# Altium PCB EPS.PcbDoc (part 5 of 10)
Units mm, origin at the board's own origin, x right, y up, seen from the top; angles counter-clockwise.
Board outline 90.25 x 93.64 mm, 8 copper layers (Top Layer, PGND, Power, Control Signals 1, Control Signals 2, Signal 1, Signal 2, Bottom Layer), stack 1.637 mm thick; 941 components, 557 nets, 2694 pads, 869 vias.
Unrouted connection lines stored in the file: 2.
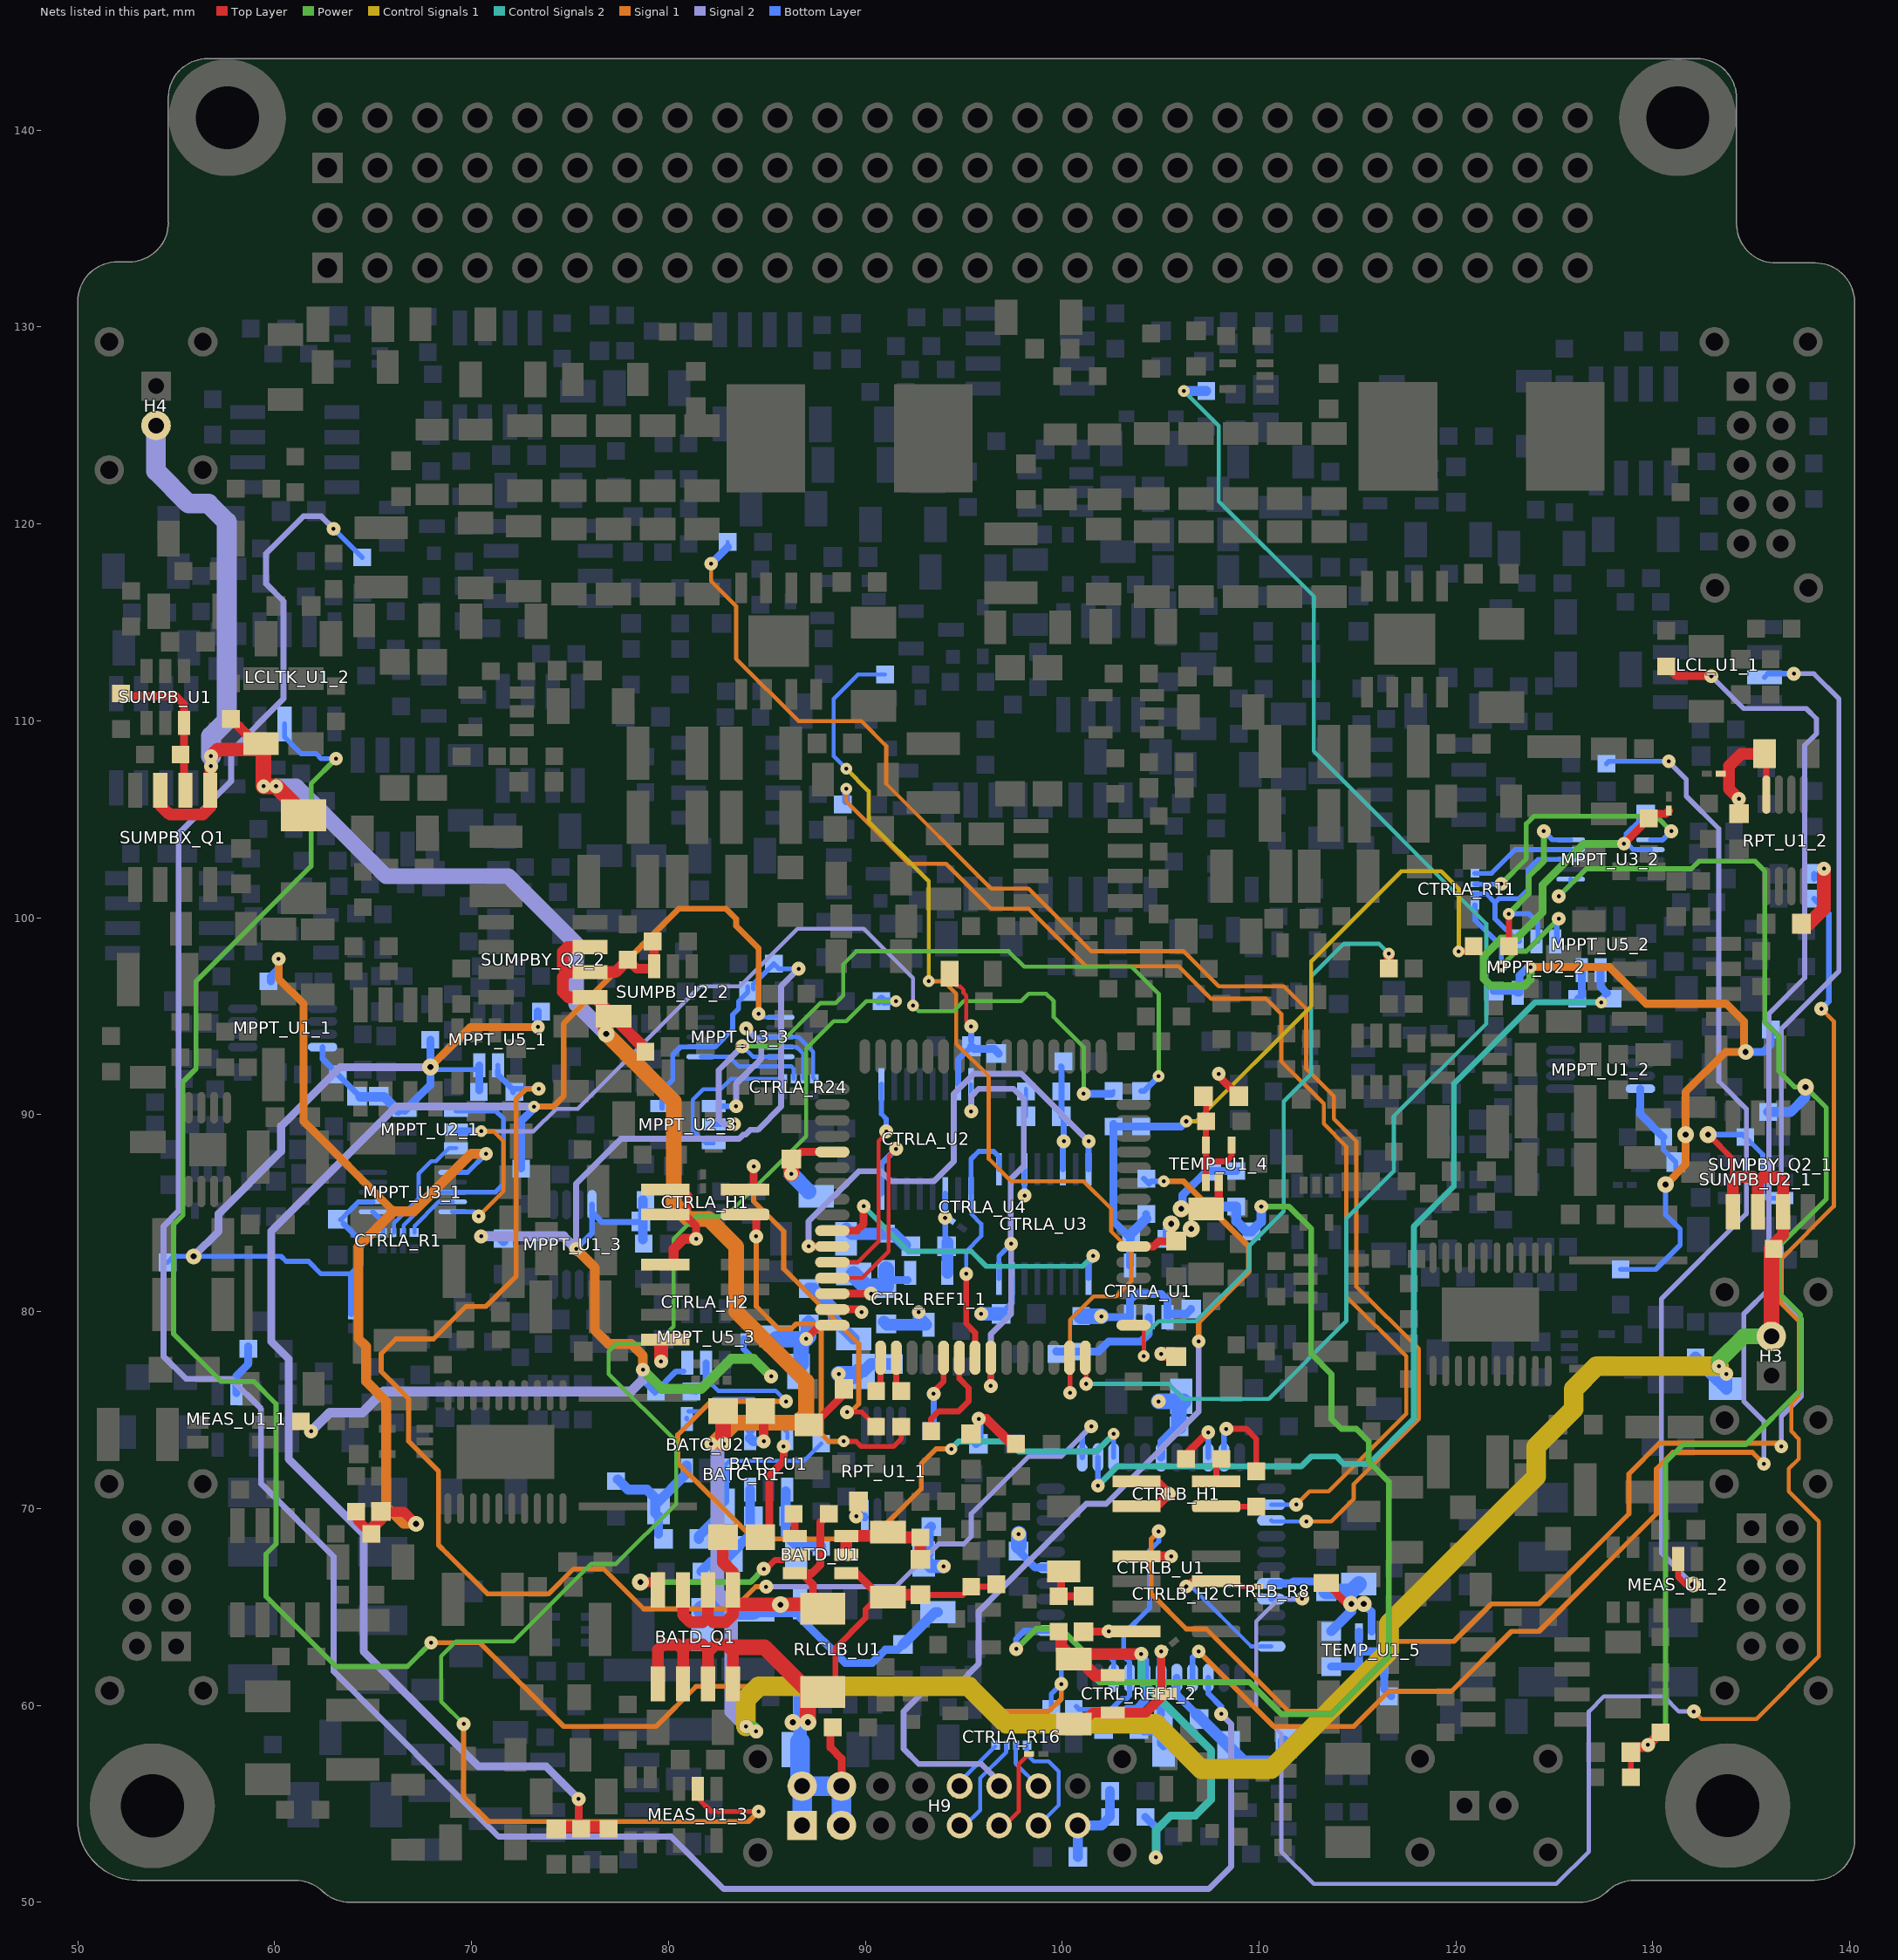
[diagram p11: the nets of this part, all layers, seen from the top]

## Via types
v1: diameter 0.7, hole 0.2, Top Layer to Bottom Layer, 431 vias
v2: diameter 0.85, hole 0.3, Top Layer to Bottom Layer, 345 vias
v3: diameter 0.6, hole 0.2, Top Layer to Bottom Layer, 62 vias
v4: diameter 0.8, hole 0.3, Top Layer to Bottom Layer, 19 vias
v5: diameter 0.75, hole 0.3, Top Layer to Bottom Layer, 7 vias
v6: diameter 1, hole 0.4, Top Layer to Bottom Layer, 2 vias
v7: diameter 0.7, hole 0.3, Top Layer to Bottom Layer, 2 vias
v8: diameter 1, hole 0.3, Top Layer to Bottom Layer, 1 vias

## Nets (pads, with @x,y where several pads share a name; then routed paths per layer and width w, separated by ;. In a path a pad name is that pad's centre, name@x,y a point inside that pad or via, vN(x,y) a via of type N, cw(c..) or ccw(c..) an arc to the next point about the centre after c; other vN are vias at no path point) (continued)
CTRLB_JTAG_TMS: CTRLB_H2.5 CTRLB_R8.6 CTRLB_U1.22 | length 8.6
  Top Layer w0.254: CTRLB_H2.5@108.839,66.295 109.093,66.041 CTRLB_R8.6@109.982,66.041
  Top Layer w0.3: v1(106.299,66.041) 106.553,66.295 CTRLB_H2.5@107.823,66.295
  Bottom Layer w0.208: v1(106.299,66.041) 106.552,66.041 109.6,62.993 CTRLB_U1.22@110.617,62.993
  Bottom Layer w0.3: v1(106.299,66.041) v1@106.299,66.168
CTRLB_LCLs_ANTs_FlagB: CTRLB_R2.2 CTRLB_U1.30 LCL_U1_1.7 | length 101.4
  Signal 1 w0.254: v1(104.902,68.834) 104.521,68.453 104.521,65.659 106.299,63.881 107.315,63.881 111.506,59.69 113.411,59.69 116.967,63.246 119.888,63.246 121.793,65.151 124.206,65.151 128.778,69.723 128.778,71.755 130.333,73.31 136.367,73.31 v1(136.525,73.152)
  Signal 2 w0.254: v1(136.525,73.152) 136.525,74.676 137.541,75.692 137.541,79.629 136.525,80.645 136.525,94.361 139.446,97.282 139.446,111.125 138.176,112.395 v1(137.16,112.395)
  Bottom Layer w0.254: CTRLB_R2.2@100.711,59.944 100.863,59.792 102.476,59.792 103.031,60.347 103.273,60.347 103.417,60.491 CTRLB_U1.30@103.417,61.393 103.417,62.191 103.124,62.484 103.124,63.627 104.439,64.942 104.439,67.863 104.902,68.326 v1(104.902,68.834) ; LCL_U1_1.7@135.672,112.215 LCL_U1_1.7@135.852,112.395
  Bottom Layer w0.3: LCL_U1_1.7@135.852,112.395 v1(137.16,112.395)
CTRLB_LCLs_ANTs_ON: CTRLB_U1.26 LCL_R4_1.2 | length 87.6
  Top Layer w0.4: LCL_R4_1.2@130.683,112.765 130.694,112.765 131.191,112.268 v1(132.969,112.268)
  Signal 1 w0.254: v1(106.934,62.738) 110.744,58.928 114.808,58.928 116.586,60.706 119.761,60.706 122.809,63.754 124.206,63.754 130.175,69.723 130.175,72.009 131.019,72.853 135.046,72.853 v1(135.636,72.263)
  Signal 2 w0.254: v1(132.969,112.268) 134.613,110.624 137.788,110.624 138.303,110.109 138.303,109.347 137.713,108.757 137.713,96.946 135.89,95.123 135.89,81.153 134.62,79.883 134.62,75.438 135.636,74.422 v1(135.636,72.263)
  Bottom Layer w0.3: CTRLB_U1.26@106.617,61.393 106.617,62.421 v1(106.934,62.738)
CTRLB_LCLs_TKred_FlagB: CTRLB_R1.2 CTRLB_U1.31 LCLTK_U1_2.7 | length 105.9
  Power w0.254: v1(63.119,108.077) 61.849,106.807 61.849,102.616 56.007,96.774 56.007,92.329 55.342,91.664 55.342,84.901 54.864,84.423 54.864,78.867 57.277,76.454 58.928,76.454 60.071,75.311 60.071,68.199 59.563,67.691 59.563,65.532 63.119,61.976 66.739,61.976 v1(67.945,63.182)
  Signal 1 w0.254: v1(67.945,63.182) 70.421,63.182 74.676,58.928 79.375,58.928 81.407,60.96 94.869,60.96 96.139,59.69 99.314,59.69 99.949,60.325 v1(99.949,61.087)
  Signal 2 w0.254: v1@67.945,63.119 v1(67.945,63.182)
  Bottom Layer w0.254: LCLTK_U1_2.7@60.5,109.84 60.5,109.172 61.341,108.331 62.103,108.331 62.357,108.077 v1(63.119,108.077) ; CTRLB_R1.2@99.441,59.828 99.441,60.579 v1(99.949,61.087) 99.949,61.849 100.838,62.738 102.108,62.738 102.617,62.229 CTRLB_U1.31@102.617,61.393
CTRLB_LCLs_TKred_ON: CTRLB_U1.25 LCLTK_R13_2.2 | length 131.8
  Signal 2 w0.3: v1(62.992,119.758) 62.354,120.396 61.468,120.396 59.563,118.491 59.563,116.967 60.452,116.078 60.452,111.125 57.785,108.458 57.785,106.934 55.118,104.267 55.118,85.09 54.356,84.328 54.356,77.724 55.499,76.581 57.785,76.581 59.309,75.057 59.309,71.247 62.992,67.564 62.992,61.722 71.374,53.34 80.137,53.34 82.804,50.673 107.442,50.673 108.585,51.816 108.585,59.055 v1(108.077,59.563)
  Bottom Layer w0.254: v1(62.992,119.758) LCLTK_R13_2.2@64.45,118.3
  Bottom Layer w0.3: CTRLB_U1.25@107.417,61.393 107.417,60.604 108.077,59.944 v1(108.077,59.563)
CTRLB_Vref: CTRL_C5_2.1 CTRL_C6_2.1 CTRL_R1_2.1 CTRL_REF1_2.1 CTRLB_R9.2 CTRLB_U1.29 | length 28.6
  Top Layer w0.6: CTRL_R1_2.1@99.949,63.743 99.949,62.991 CTRL_C5_2.1@100.584,62.356 ; CTRL_REF1_2.1@102.576,61.529 101.666,61.529 100.839,62.356 CTRL_C5_2.1@100.584,62.356 ; v1(104.013,62.611) 100.839,62.611 CTRL_C5_2.1@100.584,62.356
  Control Signals 2 w0.4: v1(104.013,62.611) 104.013,61.265 107.569,57.709 107.569,55.22 106.756,54.407 105.512,54.407 104.75,53.645 v1(104.75,52.273)
  Bottom Layer w0.4: CTRL_C6_2.1@102.097,58.928 102.387,58.928 103.276,59.817 103.759,59.817 104.217,60.275 CTRLB_U1.29@104.217,61.393 104.217,62.28 104.013,62.484 v1(104.013,62.611) ; CTRLB_R9.2@104.227,54.331 104.8,53.758 104.8,52.323 v1(104.75,52.273)
DGND: CTRL_C1_1.2 CTRL_C1_2.2 CTRL_C2_1.2 CTRL_C2_2.2 CTRL_C3_1.2 CTRL_C3_2.2 CTRL_C4_1.2 CTRL_C4_2.2 CTRL_C5_1.2 CTRL_C5_2.2 CTRL_C6_1.2 CTRL_C6_2.2 CTRL_C7_1.2 CTRL_C7_2.2 CTRL_C8_1.2 CTRL_C8_2.2 CTRL_C9_1.2 CTRL_C9_2.2 CTRL_J1_1.2 CTRL_J1_2.2 CTRL_REF1_1.2 CTRL_REF1_1.3 CTRL_REF1_2.2 CTRL_REF1_2.3 CTRLA_C1.2 CTRLA_C2.2 CTRLA_C3.2 CTRLA_C4.2 CTRLA_C5.2 CTRLA_H1.2 CTRLA_H1.4 CTRLA_H2.2 CTRLA_H2.8 CTRLA_R6.1 CTRLA_R7.1 CTRLA_R15.1 CTRLA_U1.1 CTRLA_U1.3 CTRLA_U2.3 CTRLA_U2.15 CTRLA_U3.3 CTRLA_U3.15 CTRLA_U4.22 CTRLA_U4.53 CTRLA_U4.63 CTRLB_C1.2 CTRLB_C2.2 CTRLB_C3.2 CTRLB_C4.2 CTRLB_H1.2 CTRLB_H1.4 CTRLB_H2.2 CTRLB_H2.8 CTRLB_J1.2 CTRLB_R4.1 CTRLB_U1.6 CTRLB_U1.18 CTRLB_U1.28 CTRLB_U1.39 HK_C4_1.2 HK_C4_2.2 HK_C4_3.2 LS_R9.1 LS_R10.1 LS_R11.1 RPT_C1_1.2 RPT_C1_2.2 RPT_C2_1.2 RPT_C2_2.2 RPT_C3_1.1 RPT_C3_2.1 RPT_C5_1.2 RPT_C5_2.2 RPT_U1_1.4 RPT_U1_2.4 TEMP_C1_4.2 TEMP_C1_5.2 TEMP_U1_4.2 TEMP_U1_5.2 | length 124.1
  Top Layer w0.208: LS_R9.1@94.023,97.155 94.663,96.515 94.8,96.515 94.98,96.335 94.98,96.198 95.123,96.055 95.123,94.742 v1(95.377,94.488)
  Top Layer w0.3: CTRLA_H1.2@79.845,84.925 80.607,84.925 CTRLA_H1.2@80.81,84.925 ; CTRLB_J1.2@133.452,107.315 133.858,107.315 ; RPT_C5_2.2@135.679,108.331 135.763,108.247 RPT_U1_2.4@135.763,106.25
  Top Layer w0.4: CTRLA_H2.2@79.375,78.613 CTRLA_H2.2@79.629,78.359 ; CTRLA_H1.4@79.845,86.195 80.683,86.195 81.026,85.852 81.026,85.344 CTRLA_H1.2@80.607,84.925 ; CTRLA_H1.2@80.81,84.925 81.407,84.328 v1(81.407,83.693) ; CTRL_C1_1.2@86.36,87.746 86.72,88.106 CTRLA_U4.53@88.324,88.106 ; RPT_C5_1.2@87.122,74.252 87.466,74.596 87.71,74.596 89.038,75.924 89.038,76.189 88.646,76.581 v1(88.646,76.835) ; CTRLA_U4.63@88.324,80.106 89.671,80.106 v1(89.804,79.973) 89.891,79.973 v1@89.916,79.948 ; CTRL_C7_2.2@101.219,63.743 102.351,63.743 v1(102.362,63.754) ; CTRLA_U4.22@103.624,83.306 104.642,83.306 104.913,83.577 CTRL_C8_1.2@105.664,83.577 ; v1(105.029,62.739) 105.029,60.746 CTRL_REF1_2.3@105.196,60.579 ; CTRLA_C4.2@105.653,77.851 CTRLA_C4.2@105.791,77.713 ; CTRL_C9_1.2@107.95,85.09 TEMP_U1_4.2@107.95,86.553 ; v1(107.95,92.075) 107.95,91.959 TEMP_C1_4.2@108.977,90.932 ; LS_R11.1@113.411,66.21 114.47,65.151 v4(114.681,65.151)
  Top Layer w0.5: CTRLA_H2.8@80.264,82.423 80.264,83.185 80.772,83.693 v1(81.407,83.693) ; v1(95.758,74.549) 96.139,74.549 97.409,73.279 LS_R10.1@97.652,73.279 ; CTRL_C5_2.2@100.584,59.056 100.966,59.056 101.539,59.629 CTRL_REF1_2.2@102.576,59.629 104.246,59.629 CTRL_REF1_2.3@105.196,60.579 ; CTRLB_H2.2@103.773,63.755 CTRLB_H2.2@104.521,63.755 ; CTRLB_H2.8@103.773,67.565 v1(105.537,67.565) ; CTRLB_H1.2@103.773,70.105 104.775,70.105 v1(105.41,70.74) 104.775,71.375 CTRLB_H1.4@103.773,71.375
  Top Layer w0.6: v1(89.535,69.596) 89.535,70.242 RPT_C3_1.1@89.651,70.358 ; RPT_C2_2.2@134.366,105.294 v1(134.366,106.045) 133.858,106.553 133.858,107.315 133.858,107.696 134.493,108.331 RPT_C5_2.2@135.679,108.331
  Top Layer w0.7: v1(79.629,77.47) CTRLA_H2.2@79.629,78.359 ; v1(105.029,77.851) CTRLA_C4.2@105.653,77.851 ; RPT_C3_2.1@137.552,99.695 137.922,99.695 138.684,100.457 v1(138.684,102.489)
  Top Layer w0.8: CTRL_C1_1.2@86.222,87.757 CTRL_C1_1.2@86.233,87.746 ; v1(86.233,86.995) CTRL_C1_1.2@86.233,87.492
  Bottom Layer w0.208: CTRLA_U3.3@98.085,87.23 98.085,89.841 CTRLA_C2.2@98.16,89.916 CTRLA_R15.1@98.16,91.186 CTRLA_R15.1@98.16,91.313
  Bottom Layer w0.254: v1(98.085,85.893) CTRLA_U3.3@98.085,87.23
  Bottom Layer w0.3: CTRLA_U2.3@94.066,85.998 94.066,84.766 94.066,83.364 CTRL_C7_1.2@94.118,83.312 ; CTRLA_U2.15@94.716,91.548 94.716,92.8 CTRLA_C1.2@95.261,93.345 ; CTRLA_C1.2@95.377,93.737 v1(95.377,94.488) ; CTRLA_C3.2@96.89,79.883 97.435,80.428 CTRLA_U3.15@97.435,81.68 ; RPT_C1_2.2@138.187,102.235 138.187,101.97 138.684,102.467 v1(138.684,102.489)
  Bottom Layer w0.4: v1(89.535,69.596) 89.941,69.596 RPT_U1_1.4@89.98,69.557 ; CTRLA_C1.2@95.388,93.472 95.515,93.345 96.531,93.345 HK_C4_2.2@96.774,93.102 ; CTRLB_C2.2@95.62,73.279 CTRLB_C2.2@95.758,73.417 ; CTRLB_C3.2@97.663,67.957 98.627,66.993 CTRLB_U1.39@99.417,66.993 ; v1(101.981,79.756) 102.021,79.716 CTRLA_U1.3@103.444,79.716 103.444,80.584 103.759,80.899 105.029,80.899 105.344,80.584 CTRLA_U1.1@105.344,79.716 105.511,79.883 106.31,79.883 CTRLA_C5.2@106.553,80.126 ; CTRL_C6_2.2@103.897,58.928 104.151,58.674 104.637,58.674 105.018,59.055 105.018,58.051 CTRL_C3_2.2@105.157,57.912 ; CTRL_C4_2.2@105.018,59.563 105.017,59.564 CTRLB_U1.28@105.017,61.393 105.017,62.727 v1(105.029,62.739) ; CTRLB_U1.6@105.017,72.593 105.029,72.605 105.029,73.396 105.929,74.296 CTRL_C1_2.2@106.056,74.423 ; CTRLA_R7.1@105.294,83.693 105.294,84.212 v2(105.537,84.455) ; v2(106.045,85.217) 106.111,85.283 106.111,85.918 107.326,87.133 CTRLB_C1.2@107.569,87.133 CTRLB_R4.1@108.839,87.133 ; CTRLB_U1.18@110.617,66.193 111.633,66.193 111.739,66.299 112.887,66.299 CTRL_C8_2.2@113.411,65.775 ; v4@114.681,64.781 v4(114.681,65.151) v4@114.808,65.024 ; v4(115.316,65.151) 115.712,64.755 TEMP_U1_5.2@115.712,63.749
  Bottom Layer w0.5: CTRLB_C4.2@92.965,67.437 93.218,67.69 93.218,68.95 RPT_C1_1.2@93.345,69.077 ; CTRLB_C2.2@95.758,73.417 v1(95.758,74.549) ; TEMP_C1_5.2@113.665,63.765 v4@114.681,64.781
  Bottom Layer w0.6: CTRL_C4_1.2@87.122,81.164 87.365,81.164 88.392,80.137 88.392,79.63 CTRL_C5_1.2@89.408,78.614 ; CTRL_C3_1.2@89.915,76.962 90.296,77.343 HK_C4_3.2@91.429,77.343 ; CTRL_C6_1.2@90.932,79.491 CTRL_C6_1.2@91.059,79.364 91.088,79.335 93.091,79.335 92.71,79.716 v1(92.71,79.97) ; CTRL_REF1_1.2@94.168,81.955 CTRL_C7_1.2@94.168,83.516
  Bottom Layer w0.7: CTRLB_C4.2@92.965,67.437 93.346,67.056 v1(93.98,67.056) ; v1(95.885,79.883) CTRLA_C3.2@96.89,79.883
  Bottom Layer w0.8: v1(86.233,86.995) CTRL_C2_1.2@87.121,86.107 ; v1(88.646,76.835) 89.28,76.835 89.407,76.708 CTRL_C3_1.2@89.661,76.962 ; CTRLB_C3.2@97.79,68.084 v1(97.79,68.707) ; CTRLA_R6.1@100.965,79.767 100.976,79.756 v1(101.981,79.756) ; v1(104.902,75.438) 106.17,75.438 105.929,75.197 105.929,74.296 CTRL_C1_2.2@105.929,74.168 ; CTRL_C8_2.2@113.411,65.775 114.669,65.775 CTRL_C9_2.2@115.062,66.168
  other v1: 94.05,84.766
  other v2: 106.553,84.201
MPPT_3V3a_1: CTRLA_J1.1 MPPT_C3_1.2 MPPT_C5_1.1 MPPT_C8_1.1 MPPT_R6_1.2 MPPT_R8_1.2 MPPT_R11_1.1 MPPT_R16_1.1 MPPT_R17_1.1 MPPT_U1_1.8 MPPT_U2_1.3 MPPT_U3_1.2 MPPT_U5_1.6 | length 55.3
  Power w0.4: v1(73.368,94.45) v1@73.368,94.577
  Signal 1 w0.4: v2(67.907,92.418) 69.939,94.45 v1(73.368,94.45)
  Signal 2 w0.4: v4(55.88,82.804) 57.15,84.074 57.15,84.963 60.325,88.138 60.325,89.408 63.335,92.418 v2(67.907,92.418)
  Bottom Layer w0.254: MPPT_R11_1.1@54.572,82.501 54.875,82.804 v4(55.88,82.804) 60.325,82.804 60.579,82.55 61.722,82.55 62.357,81.915 63.881,81.915 ; MPPT_C8_1.1@63.344,84.662 63.938,85.257 64.249,85.568 MPPT_U3_1.2@64.993,85.568 ; v2@67.945,92.291 70.172,92.291 MPPT_U5_1.6@70.386,92.505
  Bottom Layer w0.3: MPPT_U1_1.8@62.432,93.434 62.432,92.824 MPPT_R8_1.2@63.219,92.037 MPPT_C5_1.1@64.351,90.905 ; MPPT_C8_1.1@63.5,84.455 64.351,83.604 64.351,82.385 63.881,81.915 CTRLA_J1.1@63.881,79.858 ; MPPT_U2_1.3@66.271,90.193 MPPT_U2_1.3@66.597,90.193
  Bottom Layer w0.4: MPPT_U2_1.3@66.597,90.193 67.907,91.503 v2(67.907,92.418) MPPT_R6_1.2@67.907,93.804 ; MPPT_R16_1.1@70.386,91.225 MPPT_U5_1.6@70.386,92.505 ; v1(73.368,94.45) MPPT_R17_1.1@73.368,95.239
  Bottom Layer w0.5: MPPT_C5_1.1@64.351,90.905 65.559,90.905 MPPT_U2_1.3@66.271,90.193
MPPT_3V3a_2: CTRLA_J2.1 MPPT_C3_2.2 MPPT_C5_2.1 MPPT_C8_2.1 MPPT_R6_2.2 MPPT_R8_2.2 MPPT_R11_2.1 MPPT_R16_2.1 MPPT_R17_2.1 MPPT_U1_2.8 MPPT_U2_2.3 MPPT_U3_2.2 MPPT_U5_2.6 | length 65.2
  Top Layer w0.4: v1(128.524,103.759) 129.794,105.029 MPPT_R17_2.1@129.794,105.04 130.037,105.283 130.658,105.283 CTRLA_J2.1@130.81,105.435
  Power w0.4: v3(123.787,97.498) 123.787,96.863 123.444,96.52 121.793,96.52 121.412,96.901 121.412,98.044 122.301,98.933 123.063,98.933 124.394,100.264 124.394,101.661 126.492,103.759 v1(128.524,103.759)
  Signal 1 w0.4: v3(123.787,97.498) 127.8,97.498 129.667,95.631 133.731,95.631 134.621,94.741 134.621,93.268 v4(134.709,93.18) 133.693,93.18 131.661,91.148 v2(131.661,88.989) 131.661,87.465 v2(130.645,86.449)
  Bottom Layer w0.254: MPPT_R11_2.1@128.359,82.142 130.148,82.142 131.386,83.38 131.386,84.184 130.645,84.925 v2(130.645,86.449) 131.164,86.968 MPPT_C3_2.2@131.164,87.592 130.529,88.227 MPPT_R8_2.2@130.529,88.862 ; MPPT_C8_2.1@129.311,104.927 128.651,104.267 128.651,103.81 129.002,103.459 MPPT_U3_2.2@129.876,103.459
  Bottom Layer w0.4: MPPT_C5_2.1@121.92,96.277 123.04,96.277 MPPT_U2_2.3@123.129,96.188 123.218,96.188 123.218,97.056 123.66,97.498 v3(123.787,97.498) 126.226,97.498 MPPT_U5_2.6@126.393,97.331 126.393,96.051 MPPT_R16_2.1@126.189,95.847 ; MPPT_U1_2.8@129.368,91.316 129.368,90.023 MPPT_R8_2.2@130.529,88.862 ; v4(134.709,93.18) 135.598,93.18 135.99,93.572 MPPT_R6_2.2@135.99,94.323
MPPT_3V3a_3: CTRLA_J4.1 MPPT_C3_3.2 MPPT_C5_3.1 MPPT_C8_3.1 MPPT_R6_3.2 MPPT_R8_3.2 MPPT_R11_3.1 MPPT_R16_3.1 MPPT_R17_3.1 MPPT_U1_3.8 MPPT_U2_3.3 MPPT_U3_3.2 MPPT_U5_3.6 | length 89.4
  Top Layer w0.3: MPPT_R11_3.1@61.33,74.422 61.341,74.422 v1(61.849,73.914)
  Power w0.5: v1(78.701,77.05) 79.678,76.073 81.661,76.073 83.185,77.597 84.328,77.597 v1(85.217,76.708)
  Signal 1 w0.5: v1(75.311,83.185) 76.263,82.233 76.263,79.057 76.962,78.359 78.105,78.359 78.701,77.763 v1(78.701,77.05)
  Signal 2 w0.3: v1(75.311,83.185) 75.311,86.499 77.585,88.773 83.588,88.773 83.797,88.982 83.902,88.982 84.146,89.226 84.538,89.226 85.725,90.413 85.725,96.52 v1(86.614,97.409)
  Signal 2 w0.5: v1(61.849,73.914) 62.801,74.867 64.453,74.867 65.532,75.946 78.105,75.946 78.701,76.542 v1(78.701,77.05) ; v1(70.485,83.82) 74.676,83.82 v1@75.248,83.248
  Bottom Layer w0.254: MPPT_U2_3.3@79.678,90.32 MPPT_U2_3.3@79.678,90.447 79.678,91.235 80.215,91.772 80.215,93.042 80.615,93.442 MPPT_U3_3.2@81.63,93.442 82.374,93.442 83.267,94.335 83.267,95.078 83.566,95.377 83.566,95.758 84.025,96.217 MPPT_C8_3.1@84.025,96.482 ; MPPT_C8_3.1@84.317,96.393 84.317,96.625 MPPT_R17_3.1@85.355,97.663 85.609,97.409 v1(86.614,97.409)
  Bottom Layer w0.3: v1(75.311,83.185) 76.121,83.995 MPPT_U1_3.8@76.121,85.042 ; MPPT_U1_3.8@76.121,85.426 MPPT_U1_3.8@76.121,85.042 ; MPPT_C3_3.2@78.564,84.544 76.619,84.544 MPPT_U1_3.8@76.121,85.042 ; v1(78.701,77.05) 78.701,76.493 79.311,75.882 80.391,76.962 MPPT_U5_3.6@80.772,76.962 ; CTRLA_J4.1@83.82,78.638 83.82,78.105 v1(85.217,76.708)
  Bottom Layer w0.5: v1(70.485,83.82) 71.385,83.82 MPPT_C5_3.1@71.628,83.577 ; MPPT_R8_3.2@78.702,83.666 MPPT_R6_3.2@78.702,85.676
MPPT_CS_ADC_1: CTRLA_R1.1 MPPT_U3_1.1 | length 1.3
  Bottom Layer w0.254: MPPT_U3_1.1@64.993,85.068 65.507,84.554 CTRLA_R1.1@65.507,84.01
MPPT_CS_ADC_2: CTRLA_R11.2 MPPT_U3_2.1 | length 14
  Power w0.254: v1(122.301,101.727) 123.571,102.997 123.571,104.775 123.952,105.156 130.175,105.156 v1(130.937,104.394)
  Bottom Layer w0.254: CTRLA_R11.2@120.968,101.702 122.276,101.702 v1(122.301,101.727) ; MPPT_U3_2.1@129.876,103.959 130.502,103.959 v1(130.937,104.394)
MPPT_CS_ADC_3: CTRLA_R24.2 MPPT_U3_3.1 | length 5.5
  Bottom Layer w0.208: MPPT_U3_3.1@81.63,92.942 83.08,92.942 83.566,92.456 86.233,92.456 86.36,92.329 CTRLA_R24.2@86.36,91.821
MPPT_CS_DAC_1: CTRLA_R1.2 MPPT_U2_1.6 | length 5.9
  Bottom Layer w0.208: CTRLA_R1.2@66.065,84.01 66.065,84.48 67.31,85.725 67.31,86.995 67.945,87.63 68.199,87.63 68.862,88.293 MPPT_U2_1.6@69.217,88.293
MPPT_CS_DAC_2: CTRLA_R11.4 MPPT_U2_2.6 | length 8.8
  Power w0.254: v3(122.301,97.536) 123.063,98.298 123.571,98.298 v1(125.222,99.949)
  Bottom Layer w0.254: CTRLA_R11.4@120.968,100.66 120.968,99.885 122.301,98.552 v3(122.301,97.536)
  Bottom Layer w0.3: MPPT_U2_2.6@125.118,98.808 125.118,99.845 v1(125.222,99.949)
MPPT_CS_DAC_3: CTRLA_R24.1 MPPT_U2_3.6 | length 7.9
  Bottom Layer w0.208: MPPT_U2_3.6@82.298,88.547 81.894,88.547 81.229,89.211 81.229,90.754 81.766,91.291 82.655,91.291 83.185,91.821 CTRLA_R24.1@85.801,91.821
MPPT_DIN_1: CTRLA_R1.3 MPPT_U2_1.4 MPPT_U3_1.8 | length 12.2
  Bottom Layer w0.208: CTRLA_R1.3@66.548,84.01 66.548,84.381 68.235,86.068 MPPT_U3_1.8@69.043,86.068
  Bottom Layer w0.254: MPPT_U3_1.8@69.043,86.068 71.209,86.068 71.628,86.487 71.628,89.789 71.224,90.193 MPPT_U2_1.4@69.217,90.193
MPPT_DIN_2: CTRLA_R11.3 MPPT_U2_2.4 MPPT_U3_2.8 | length 9.1
  Bottom Layer w0.254: CTRLA_R11.3@120.968,101.219 121.539,101.219 121.983,100.774 ; MPPT_U2_2.4@123.218,98.808 MPPT_U2_2.4@123.129,98.808 121.983,99.954 121.983,100.774 ; MPPT_U3_2.8@125.826,102.959 124.168,102.959 123.66,102.451 123.66,101.435 123.19,100.965 122.174,100.965 121.983,100.774
MPPT_DIN_3: CTRLA_R24.4 MPPT_U2_3.4 MPPT_U3_3.8 | length 11
  Signal 2 w0.3: v1(83.439,90.424) 83.439,91.567 84.709,92.837 84.709,93.613 v1(83.947,94.375)
  Bottom Layer w0.208: v1(83.947,94.375) 83.947,94.361 84.366,93.942 MPPT_U3_3.8@85.68,93.942 86.599,93.942 87.354,93.187 87.354,91.869 CTRLA_R24.4@87.401,91.821
  Bottom Layer w0.3: MPPT_U2_3.4@82.55,90.424 v1(83.439,90.424)
MPPT_DOUT_1: CTRLA_R1.4 MPPT_U3_1.9 | length 2.8
  Bottom Layer w0.208: CTRLA_R1.4@67.107,84.01 67.107,84.343 68.332,85.568 MPPT_U3_1.9@69.043,85.568
MPPT_DOUT_2: CTRLA_R11.1 MPPT_U3_2.9 | length 5.4
  Bottom Layer w0.254: CTRLA_R11.1@120.968,102.26 121.802,102.26 123,103.459 MPPT_U3_2.9@125.826,103.459
MPPT_DOUT_3: CTRLA_R24.3 MPPT_U3_3.9 | length 2.6
  Bottom Layer w0.208: MPPT_U3_3.9@85.68,93.442 86.517,93.442 86.843,93.116 CTRLA_R24.3@86.843,91.821
MPPT_Meas_I_1: MEAS_U1_1.2 MPPT_R10_1.2 | length 2.6
  Bottom Layer w0.4: MEAS_U1_1.2@58.062,75.861 58.062,76.731 58.663,77.332 MPPT_R10_1.2@58.663,78.105 MPPT_R10_1.2@58.663,78.232
MPPT_Meas_I_2: MEAS_U1_2.2 MPPT_R10_2.2 | length 51
  Top Layer w0.3: MEAS_U1_2.2@131.28,67.439 131.28,66.51 131.661,66.129 v4(132.042,66.129)
  Signal 2 w0.254: v1(130.81,107.95) 130.81,107.912 131.699,107.023 131.699,106.172 133.35,104.521 133.35,101.236 133.344,101.229 133.344,91.7 134.747,90.297 134.747,84.963 130.429,80.645 130.429,67.742 v4(132.042,66.129)
  Bottom Layer w0.254: MPPT_R10_2.2@127.646,107.823 127.773,107.95 v1(130.81,107.95)
MPPT_Meas_I_3: MEAS_U1_3.2 MPPT_R10_3.2 | length 79.6
  Top Layer w0.254: MEAS_U1_3.2@81.496,55.755 81.496,55.283 82.169,54.61 v1(84.582,54.61)
  Power w0.208: v1(69.596,59.055) 68.453,60.198 68.453,62.484 69.215,63.246 72.136,63.246 76.073,67.183 77.343,67.183 80.391,70.231 80.391,73.406 76.962,76.835 76.962,77.978 77.343,78.359 79.375,78.359 80.264,79.248 80.264,83.693 81.407,84.836 82.931,84.836 86.995,88.9 86.995,93.345 88.392,94.742 89.027,94.742 90.043,95.758 v3(91.567,95.758)
  Signal 1 w0.254: v1(69.596,59.055) 69.596,55.372 70.866,54.102 84.074,54.102 v1(84.582,54.61)
  Bottom Layer w0.4: MPPT_R10_3.2@90.689,95.758 90.816,95.885 90.963,95.738 90.984,95.758 v3(91.567,95.758)
MPPT_Meas_V_1: MEAS_C1_1.1 MEAS_R2_1.2 MEAS_R4_1.1 MPPT_R1_1.2 MPPT_U3_1.6 | length 47.7
  Top Layer w0.4: MEAS_R4_1.1@64.135,69.839 64.224,69.75 MEAS_R4_1.1@64.224,69.928
  Top Layer w0.5: MEAS_R4_1.1@64.224,69.75 64.224,69.391 MEAS_R2_1.2@64.908,68.707 MEAS_R2_1.2@64.908,68.972 ; MEAS_C1_1.1@65.405,69.469 MEAS_C1_1.1@65.405,69.839 65.421,69.823 66.575,69.823 v4(67.183,69.215)
  Top Layer w0.6: MEAS_R2_1.2@64.908,68.972 MEAS_C1_1.1@65.405,69.469
  Signal 1 w0.4: v1(60.198,97.917) 60.198,96.901 61.468,95.631 61.468,89.662 66.04,85.09
  Signal 1 w0.5: v4(67.183,69.215) 66.548,69.215 65.659,70.104 65.659,75.438 64.643,76.454 64.643,78.232 64.262,78.613 64.262,83.312 66.04,85.09 67.056,85.09 69.977,88.011 v1(70.739,88.011)
  Bottom Layer w0.254: MPPT_U3_1.6@69.043,87.068 69.796,87.068 v1(70.739,88.011)
  Bottom Layer w0.4: MPPT_R1_1.2@59.806,96.774 59.806,97.017 60.198,97.409 v1(60.198,97.917)
MPPT_Meas_V_2: MEAS_C1_2.1 MEAS_R2_2.2 MEAS_R4_2.1 MPPT_R1_2.2 MPPT_U3_2.6 | length 71